# Altium PCB 400501.PcbDoc (part 4 of 4) (continued)
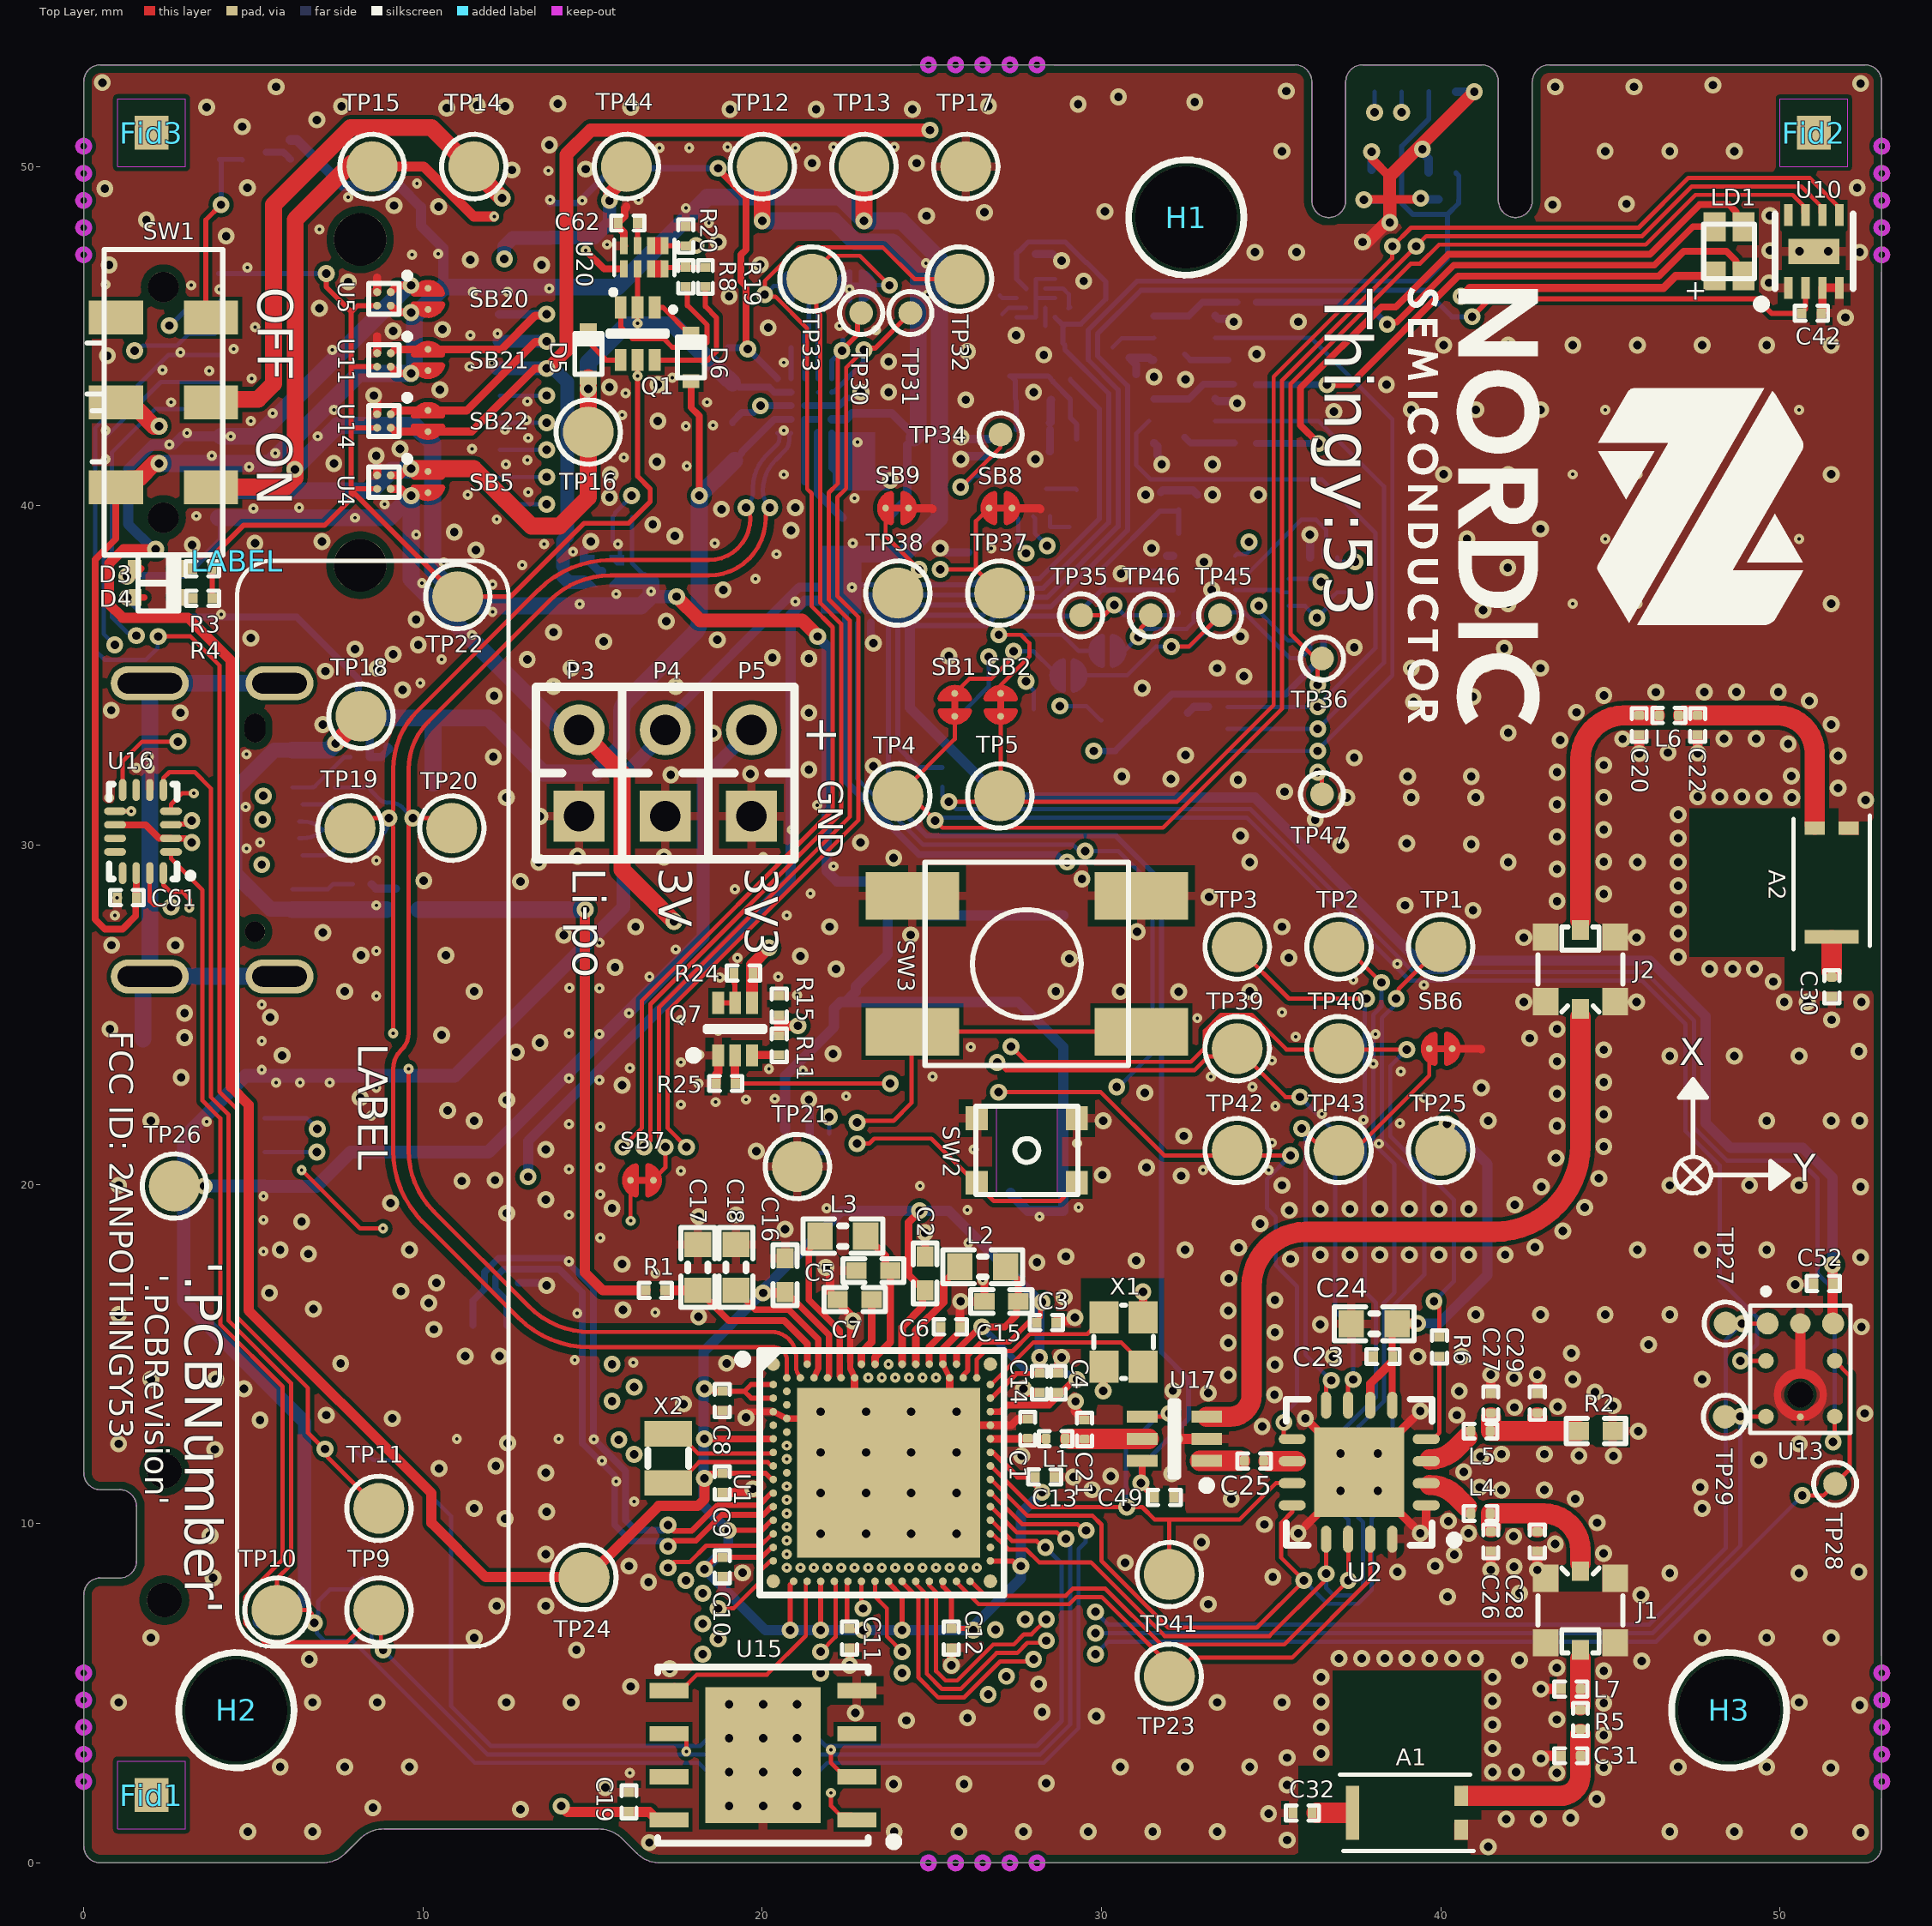
[diagram p0: Top Layer view]
## Nets (pads, with @x,y where several pads share a name; then routed paths per layer and width w, separated by ;. In a path a pad name is that pad's centre, name@x,y a point inside that pad or via, vN(x,y) a via of type N, cw(c..) or ccw(c..) an arc to the next point about the centre after c; other vN are vias at no path point) (continued)
VDD_BH: C42.2 ST4.2 U10.2 | length 35.9
  Top Layer w0.15: v1(40.925,45.575) 41.456,46.106 49.319,46.106 49.75,45.675 C42.2@50.64,45.675 50.64,45.69 50.75,45.8 U10.2@50.75,46.425
  Bottom Layer w0.15: ST4.2@24.909,36.775 26.511,36.775 26.761,37.025 28.511,37.025 30.766,39.28 30.766,43.536 29.883,44.42 29.883,45.07 31.163,46.35 39.55,46.35 40.325,45.575 v1(40.925,45.575)
VDD_BME: C40.2 C41.2 ST5.2 U9.2 U9.6 U9.8 | length 32
  Bottom Layer w0.15: ST5.2@24.878,37.075 26.422,37.075 26.647,37.3 28.397,37.3 30.491,39.394 30.491,43.423 29.608,44.306 29.608,45.184 31.049,46.625 39.539,46.625 40.203,47.289 40.203,48.594 ; C40.2@38.86,49.011 C40.2@38.868,49.019 ; U9.2@39.65,52.211 39.65,51.4 38.85,50.6 U9.6@38.85,49.811 38.85,49.011 38.85,48.915 39.171,48.594 40.203,48.594 ; U9.8@40.45,49.811 40.535,49.726 C41.2@40.535,49.011 40.527,49.003 40.527,48.918 40.203,48.594
VDD_BMI270: C36.2 C37.2 ST6.2 U7.5 U7.8 | length 11.9
  Bottom Layer w0.15: ST6.2@24.909,36.475 26.6,36.475 26.875,36.75 29.239,36.75 30.014,37.525 ; U7.5@32.112,37.525 30.014,37.525 ; U7.8@32.275,39.187 C37.2@32.275,39.89 32.235,39.85 31.725,39.85 30.064,38.189 30.064,37.575 30.014,37.525
VDD_BMM150: C50.2 C51.2 ST7.2 U12.A1 U12.B2 U12.E5 | length 19.5
  Bottom Layer w0.15: ST7.2@24.878,37.375 26.333,37.375 26.533,37.575 28.283,37.575 30.216,39.508 30.216,43.309 28.92,44.605 28.92,44.74 28.86,44.8 28.86,45.272 28.948,45.36 ; C51.2@27.49,47.425 27.49,47.44 C51.2@27.5,47.45 ; U12.B2@27.782,46.405 U12.A1@27.499,46.688 27.5,46.689 27.5,47.425 C51.2@27.5,47.45 ; U12.E5@28.631,45.556 28.827,45.36 28.948,45.36 ; C51.2@27.5,47.45 27.55,47.5 27.565,47.5 27.84,47.775 28.939,47.775 29.539,47.175 29.561,47.175 30.125,46.611 30.125,46.09 29.395,45.36 28.948,45.36
VDD_BZR: Bz1.1 D2.1 R10.2 ST1.2 | length 13.2
  Bottom Layer w0.3: ST1.2@21.9,34.909 21.9,29.235 22.207,28.928 D2.1@22.3,28.928 23.772,28.928 24.775,27.925 Bz1.1@28.875,27.925
VDD_EXP_BRD: P1.2 P5.2 P9.13 SB22.1 TP26.1 U14.A1 | length 46.5
  Top Layer w0.15: U14.A1@9.05,42.7 U14.A1@9.068,42.7
  Top Layer w0.235: U14.A1@9.068,42.7 9.18,42.812 9.797,42.812 SB22.1@10.15,42.812 10.503,42.812 11.287,42.812 13.309,44.834 13.659,44.834 v1@13.675,44.85
  Mid-Layer 2 w0.381: v1@13.675,44.85 15.693,44.85 16.075,44.468 16.075,41.325 19.625,37.775 19.625,33.456 P5.2@19.685,33.396
  Bottom Layer w0.381: v1(3.55,19.95) P1.2@5.325,19.95 5.337,19.937 6.863,19.937 7.875,20.95 11.925,20.95 18.263,27.288 18.263,31.973 P5.2@19.685,33.396 ; P9.13@12.25,44.85 v1(13.65,44.85) v1@13.675,44.85
VDD_EXT_FLASH: C19.2 ST2.2 U15.8 | length 42.8
  Top Layer w0.3: v1(14.075,1.675) 14.25,1.5 16.675,1.5 16.905,1.27 U15.8@17.255,1.27
  Mid-Layer 2 w0.3: v1(13.1,20.225) 13.1,2.65 v1(14.075,1.675)
  Bottom Layer w0.3: v1(13.1,20.225) 13.1,21.275 20.837,29.012 20.837,36.784 21.253,37.2 ST2.2@21.397,37.2
VDD_nRF53: C2.1 C8.1 C9.1 C10.1 C11.1 C12.1 C13.1 C14.1 C15.1 C16.2 P9.4 SB20.1 TP24.1 U1.A19 U1.AC1 U1.AG1 U1.AJ31 U1.AL3 U1.AL7 U1.AL11 U1.AL17 U1.AL25 U1.B8 U1.B28 U1.C1 U1.E1 U1.E31 U1.L1 U1.N31 U1.U1 U5.A1 | length 130.9
  Top Layer w0.15: v1(18.3,8.66) 18.65,9.01 C10.1@18.825,9.01 ; v1(18.3,11.335) 18.45,11.485 C9.1@18.825,11.485 20.098,11.485 20.283,11.3 U1.U1@20.325,11.3 ; v1@18.3,13.85 18.35,13.9 19.475,13.9 ; C10.1@18.825,9.01 19.982,9.01 20.272,9.3 U1.AG1@20.325,9.3 ; v1(19,9.8) 19.983,9.8 20.283,10.1 U1.AC1@20.325,10.1 ; U1.E1@20.325,13.7 19.675,13.7 19.475,13.9 ; U1.C1@20.325,14.1 19.675,14.1 19.475,13.9 ; v1(20.824,6.86) 20.824,8.199 U1.AL3@20.925,8.3 ; v1(21.725,6.86) U1.AL7@21.725,8.3 ; U1.AL11@22.525,8.3 22.5,8.275 22.5,6.987 C11.1@22.577,6.91 ; C11.1@22.577,6.86 v1@22.925,6.86 ; U1.AL17@23.725,8.258 24.125,7.858 v1(24.125,6.86) ; U1.AL25@25.325,8.3 25.325,8.154 25.575,7.904 C12.1@25.575,6.91 v1@26.1,6.91 ; U1.B28@25.925,14.3 25.925,14.375 26.063,14.513 26.063,14.957 26.456,15.35 27.275,15.35 27.9,15.975 28.09,15.975 28.2,16.085 v1@28.2,16.475 ; U1.AJ31@26.725,8.9 27.38,8.9 27.53,8.75 v1(27.625,8.75) ; U1.N31@26.725,12.1 26.803,12.1 27.528,11.375 C13.1@28.04,11.375 28.04,11.135 v1(28.25,10.925) ; U1.E31@26.725,13.7 26.767,13.7 27.492,14.425 28.165,14.425 C14.1@28.175,14.435
  Top Layer w0.187: C16.2@20.675,16.825 20.705,16.825 21.968,15.562 21.968,14.343 U1.B8@21.925,14.3
  Top Layer w0.2: v1(18.3,12.5) U1.L1@20.325,12.5
  Top Layer w0.203: C14.1@28.175,14.435 v1(28.175,14.9)
  Top Layer w0.225: U1.A19@24.125,14.7 24.125,15.795 24.725,16.395 C2.1@24.725,16.85 ; 24.463,19.025 24.313,18.875 24.313,17.338 C2.1@24.8,16.85
  Top Layer w0.235: U5.A1@9.05,46.3 9.25,46.5 v1(9.65,46.5)
  Top Layer w0.3: v1@2.1,38.725 1.175,38.725 0.75,38.3 0.75,37.1 1.15,36.7 3.077,36.7 4.338,35.44 4.338,22.874 4.863,22.349 4.863,16.287 10.25,10.9 10.25,10.025 11.85,8.425 TP24.1@14.749,8.425 ; TP24.1@14.749,8.416 14.841,8.416 16.949,10.524 18.098,10.524 18.3,10.727 v1(18.3,11.335) ; v1(20.025,16.8) C16.2@20.625,16.8
  Mid-Layer 2 w0.3: v1@9.575,46.5 v1(9.65,46.5)
  Bottom Layer w0.3: v1@2.05,38.725 1.312,39.463 1.312,41.08 2.033,41.8 2.65,41.8 2.9,42.05 P9.4@4.05,42.05 ; v1(28.175,14.9) 28.175,16.55 25.501,19.225 22.35,19.225 19.925,16.8 19.925,16.725 18.275,15.075 18.275,10.526 v1(19,9.8) 19,9.36 v1(18.3,8.66) 20.1,6.86 v1(20.824,6.86) v1(21.725,6.86) v1(22.976,6.86) v1(24.125,6.86) 26.1,6.86 27.625,8.385 v1(27.625,8.75) 27.625,10.3 v1(28.25,10.925)
  Bottom Layer w0.5: P9.4@4.05,42.05 5.116,42.05 9.566,46.5 v1(9.65,46.5)
  other v1: 26.225,6.86 18.3,13.975 28.25,16.525 24.638,19.225 2.125,38.725
VDD_nRF21540: C23.2 C24.2 P9.12 SB21.1 TP25.1 U2.5 U2.6 U11.A1 | length 68.5
  Top Layer w0.15: U11.A1@9.05,44.5 U11.A1@9.068,44.5
  Top Layer w0.152: TP25.1@40,21 40,21.597 v1(40.189,21.786)
  Top Layer w0.2: U2.5@38.572,13.492 38.572,15.751 C24.2@38.715,15.894
  Top Layer w0.235: U11.A1@9.068,44.5 9.18,44.612 9.797,44.612 SB21.1@10.15,44.612 10.503,44.612 12.312,44.612 13.309,45.609 13.609,45.609 v1(13.65,45.65)
  Top Layer w0.254: U2.6@37.922,13.492 37.922,14.125 38.308,14.511 38.54,14.743
  Top Layer w0.3: C24.2@38.715,15.894 38.72,15.899 v1@39.322,15.899
  Mid-Layer 2 w0.3: v1@13.675,45.65 17.348,45.65 19.498,47.8 27.391,47.8 27.766,48.175 29.917,48.175 31.642,46.45 33.7,46.45 35.125,45.025 35.125,42.275 40.189,37.211 v1(40.189,21.786) ; v1@39.494,15.901 v1@39.497,15.903
  Bottom Layer w0.254: P9.12@12.25,45.65 v1@13.675,45.65
  Bottom Layer w0.3: v1@39.497,15.903 39.953,15.903 41.375,17.325 41.375,20.6 v1(40.189,21.786)
  other v1: 39.322,15.903
VDD_PE42: C49.2 ST8.2 U17.6 | length 33.7
  Top Layer w0.2: U17.6@31.2,11.85 31.2,11.14 31.515,10.825 31.53,10.825 31.565,10.79 C49.2@31.565,10.775
  Bottom Layer w0.15: 23.725,36.173 ST8.2@23.725,36.097 23.725,31.4 24.85,30.275 30.425,30.275 31.775,28.925 31.775,15.05 32.563,14.262 32.563,13.088 31.164,11.689 v1(31.164,11.2)
VDD_VM3011: C52.2 ST9.2 U13.6 | length 41.1
  Top Layer w0.15: U13.6@51.55,15.915 U13.6@51.565,15.9
  Top Layer w0.3: U13.6@51.55,15.915 v1(51.55,17.625)
  Bottom Layer w0.3: ST9.2@24.35,36.097 24.35,34.05 27,31.4 34.525,31.4 38.82,27.105 39.331,26.594 46.17,26.594 47.803,24.961 47.803,21.811 48.536,21.078 50.672,21.078 51.125,20.625 51.55,20.2 v1(51.55,17.625)
VLI-ION: D3.1 J3.3 P3.2 P9.1 Q7.4 R24.1 SB5.2 TP44.1 U4.A2 | length 45.9
  Top Layer w0.2: D3.1@1.425,37.95 1.492,37.95 D3.1@1.692,38.15 ; v1@9.544,40.3 v1(9.657,40.3)
  Top Layer w0.235: U4.A2@9.05,40.5 9.344,40.5 v1@9.544,40.3
  Top Layer w0.35: Q7.4@19.7,25.35 19.7,26.475 v1(20.2,26.975)
  Top Layer w0.4: v1(15.5,49) 15.519,49.019 15.519,49.221 16,49.702 TP44.1@16,50
  Top Layer w0.5: P3.2@14.605,33.396 15.875,32.126 15.875,29.275 v1(17.4,27.75)
  Mid-Layer 1 w0.5: v1(17.4,27.75) 19.425,27.75 v1(20.2,26.975)
  Mid-Layer 2 w0.5: v1(9.657,40.3) 10.15,40.3 11.3,41.45 11.3,46.175 v1(12.4,47.275)
  Bottom Layer w0.2: v1@1.275,37.95 3,37.95 4.05,39 P9.1@4.05,39.65
  Bottom Layer w0.4: v1(12.4,47.275) 12.4,47.65 12.642,47.892 J3.3@13.75,47.892 ; J3.3@13.75,47.908 15.058,47.908 15.5,48.35 v1(15.5,49)
  Bottom Layer w0.5: P9.1@3.975,39.65 9.007,39.65 v1(9.657,40.3) 9.657,37.843 10.112,37.387 13.913,33.587 14.414,33.587 P3.2@14.605,33.396
  other v1: 1.275,37.925
VOUTB: C45.2 C60.1 C61.1 P4.2 P8.1 P9.3 P9.11 R47.1 SB20.2 SB21.2 ST2.1 ST3.1 SW1.3 TP13.1 U5.A2 U11.A2 U16.14 U18.14 U19.A2 | length 135.9
  Top Layer w0.2: SW1.3@0.95,40.55 0.95,39.03 0.34,38.42 0.34,27.81 0.625,27.525 1.147,27.525 1.535,27.913 1.535,28.45 1.554,28.469 1.554,29.171 U16.14@1.55,29.175
  Top Layer w0.235: U11.A2@9.05,44.1 9.25,43.9 v1(9.65,43.9) ; U5.A2@9.05,45.9 9.25,45.7 v1(9.65,45.7)
  Top Layer w0.5: SW1.3@1.075,40.55 1.325,40.8 1.625,40.8 2.075,41.25 v1(2.225,41.25) ; v1(23,48.4) TP13.1@23,50
  Mid-Layer 2 w0.2: v1(28.987,29.5) 28.987,30.685 28.888,30.784 28.888,31.888 v1(29.775,32.775)
  Bottom Layer w0.2: 22.373,37.173 22.455,37.09 22.455,31.892 24.622,29.725 28.681,29.725 28.906,29.5 v1(28.987,29.5) ; v1(29.775,32.775) 30.4,32.775 32.075,34.45 35.428,34.45 36.55,35.572 U18.14@36.55,36.025
  Bottom Layer w0.254: P4.2@17.145,33.396 17.145,33.66 21.087,37.602 22.298,37.602 22.3,37.6
  Bottom Layer w0.3: R47.1@6.1,50.785 6.29,50.785 7.65,49.425 9.317,49.425 9.941,48.801 9.941,48.259 10.6,47.6 10.6,46.45
  Bottom Layer w0.4: P8.1@5.175,7.11 5.81,7.11 5.99,7.29 6.515,7.815 6.515,12.998 2.95,16.563 2.95,21.375 4.775,23.2 10.937,23.2 15.913,28.175 15.913,32.057 17.145,33.289 P4.2@17.145,33.396
  Bottom Layer w0.5: v1@2.325,41.25 P9.3@4.05,41.25 5.475,41.25 8.125,43.9 v1(9.65,43.9) 9.75,44 9.75,45.6 10.6,46.45 15.737,46.45 18.387,49.1 22.3,49.1 v1(23,48.4) 24.1,48.4 25.225,47.275 25.225,39.625 24.175,38.575 22.875,38.575
VOUTB': C35.2 L11.1 SW1.2 TP12.1 U3.B5 | length 39.3
  Top Layer w0.5: SW1.2@1.075,43.05 1.325,42.8 1.625,42.8 2.075,42.35 v1(2.225,42.35) ; v1(20,48.4) TP12.1@20,50
  Mid-Layer 2 w0.5: v1(2.225,42.35) 4.525,42.35 10.35,48.175 15.734,48.175 15.959,48.4 v1(20,48.4)
  Bottom Layer w0.25: U3.B5@22.05,42.55 22.475,42.55 22.65,42.725 23.825,42.725 C35.2@24.5,42.05 ; L11.1@23.9,39.825 L11.1@23.725,39.65 23.725,39.675 23.975,39.925 24.275,40.225 24.275,41.8 C35.2@24.475,42
  Bottom Layer w0.5: v1(20,48.4) 22.116,48.4 22.741,47.775 23.841,47.775 24.6,47.016 24.6,42.125 C35.2@24.475,42
VSYS: C54.1 R26.2 ST1.1 SW1.6 TP15.1 U6.4 U20.1 | length 46.3
  Top Layer w0.2: v2(14.8,47.525) 15.34,46.985 U20.1@15.925,46.985
  Top Layer w0.3: TP15.1@8.5,50 10.025,50 11.5,48.525 v2(12.1,48.525)
  Top Layer w0.4: v1(17.474,37.324) 18.172,36.625 21.175,36.625 v1@21.65,36.15
  Top Layer w0.5: SW1.6@3.75,40.55 5.95,40.55 6.233,40.833 6.233,48.433 TP15.1@7.9,50.1
  Mid-Layer 1 w0.3: v2(12.1,48.525) 12.925,47.7 14.625,47.7 v2(14.8,47.525)
  Bottom Layer w0.125: R26.2@16.16,39.675 16.16,38.315 16.487,37.987 C54.1@16.537,37.987
  Bottom Layer w0.3: v1@21.625,36.149 21.9,35.874 ST1.1@21.9,35.338
  Bottom Layer w0.4: U6.4@15.81,37.75 C54.1@16.725,37.75 ; 16.725,37.348 16.749,37.324 v1(17.474,37.324)
  Bottom Layer w0.5: v1@6.225,41.11 7.49,42.375 9.75,42.375 10.286,41.839 10.286,38.104 11.34,37.05 16.427,37.05 16.725,37.348 C54.1@16.725,37.75
  other v1: 21.637,36.15 6.225,41.075
VSYS': C47.2 SW1.5 TP14.1 U3.C1 U3.C2 | length 28.5
  Top Layer w0.5: SW1.5@3.964,43.139 5.139,43.139 5.6,43.6 5.6,48.875 7.875,51.15 10.25,51.15 TP14.1@11.45,49.95 ; TP14.1@11.5,50 11.5,49.9 v1(12.332,49.068)
  Mid-Layer 1 w0.5: v1(12.332,49.068) 13.025,48.375 16.325,48.375 17.663,47.037 17.663,45.238 v1(19.95,42.95)
  Bottom Layer w0.2: C47.2@19.125,42.45 19.125,42.475 19.4,42.75 19.75,42.75 ; v1@19.975,42.95 U3.C1@20.45,42.95 U3.C2@20.85,42.95
XC1: U1.C31 X1.1 | length 5.3
  Top Layer w0.125: U1.C31@26.725,14.1 26.75,14.1 27.987,15.338 30.584,15.338 31.225,14.697 X1.1@31.225,14.63
XC2: U1.B30 X1.3 | length 4.8
  Top Layer w0.125: U1.B30@26.325,14.3 26.325,14.848 26.565,15.088 27.384,15.088 27.884,15.588 29.583,15.588 X1.3@30.075,16.08
pads on no net: Fid1.0 Fid2.0 Fid3.0 H1. H2. H3. J3.0 J5.0 J5.1 J5.3 J5.5 J6. J6.0 J6.4 J6.10 P1.0 P8.0 P8.6 P8.7 P8.8 P9. SW1.0 SW1.1 U1. U1.A1 U1.A31 U1.AG31 U1.AL1 U1.AL31 U1.D2 U1.F2 U1.J1 U1.K2 U1.T2 U7.10 U7.11 U8.2 U8.3 U8.5 U8.10 U8.15 U10.8 U13.MH1 U15.3 U15.7 U16.7 U16.11 U16.12 U16.13 U18.1 U18.5 U18.9 U18.11 U18.12 U18.13

## Polygon pours and split planes (outlines as drawn)
GND on Bottom Layer "Bottom_Layer-GND" (solid, remove dead copper, pour order 15): -2,-2 -2,55.9 55.9,55.9 55.9,-2
GND on Mid-Layer 2 "Mid_Layer_2-GND" (solid, remove dead copper, pour order 20): -2,-2 -2,55.9 55.9,55.9 55.9,-2
GND on Mid-Layer 1 "Mid_Layer_1-GND" (solid, remove dead copper, pour order 22): -2,-2 -2,55.9 55.9,55.9 55.9,-2
GND on Top Layer "Top_Layer-GND" (solid, remove dead copper, pour order 24): -0.02,0.025 -0.02,53.025 52.98,53.025 52.98,0.025

## Keep-outs
Mid-Layer 1:
  lines w0.1: 29.075,12.5 31.2,12.5 31.4,12.5 ; 32.9,11.85 33.1,11.85 34.08,11.85 ; 33.1,13.15 33.787,13.15 ccw(c33.787,13.788) 34.425,13.788 34.425,17 cw(c36.025,17) 36.025,18.6 41.577,18.6 ccw(c41.577,21.14) 44.117,21.14 44.117,24.927 ; 34.92,11.842 35.622,11.842 35.725,11.842 ; 36.24,1.475 37.3,1.475 ; 39.672,11.142 cw(c39.672,10.05) 40.444,10.822 40.77,10.495 ; 39.672,11.892 ccw(c39.672,12.983) 40.443,12.211 40.778,12.547 ; 40.6,1.975 43.517,1.975 ccw(c43.517,2.575) 44.117,2.575 44.117,3.805 ; 41.483,9.895 41.483,10.303 42.847,10.303 ; 41.483,13.13 41.483,12.731 42.847,12.731 ; 42.847,9.895 42.847,10.303 ; 42.847,13.13 42.847,12.731 ; 44.075,12.731 42.847,12.731 ; 44.117,4.645 44.117,6.015 ; 44.117,8.839 44.117,9.217 ccw(c43.031,9.217) 43.031,10.303 42.847,10.303 ; 44.117,27.786 44.117,32.516 cw(c45.425,32.516) 45.395,33.825 45.85,33.825 ; 46.305,33.825 45.85,33.825 ; 47.145,33.825 49.925,33.825 cw(c49.925,32.725) 51.025,32.725 51.025,30.5 ; 51.525,26.14 51.525,27.194 ; 45.85,33.825 45.85,33.825
Keep-Out Layer:
  circle w0.152: c53,47.4 r0.173
  circle w0.152: c53,48.2 r0.173
  circle w0.152: c53,49 r0.173
  circle w0.152: c53,49.8 r0.173
  circle w0.152: c53,50.6 r0.173
  circle w0.152: c28.1,53 r0.173
  circle w0.152: c27.3,53 r0.173
  circle w0.152: c26.5,53 r0.173
  circle w0.152: c25.7,53 r0.173
  circle w0.152: c24.9,53 r0.173
  circle w0.152: c0,47.4 r0.173
  circle w0.152: c0,48.2 r0.173
  circle w0.152: c0,49 r0.173
  circle w0.152: c0,49.8 r0.173
  circle w0.152: c0,50.6 r0.173
  circle w0.152: c0,2.4 r0.173
  circle w0.152: c0,3.2 r0.173
  circle w0.152: c0,4 r0.173
  circle w0.152: c0,4.8 r0.173
  circle w0.152: c0,5.6 r0.173
  circle w0.152: c24.9,0 r0.173
  circle w0.152: c25.7,0 r0.173
  circle w0.152: c26.5,0 r0.173
  circle w0.152: c27.3,0 r0.173
  circle w0.152: c28.1,0 r0.173
  circle w0.152: c53,2.4 r0.173
  circle w0.152: c53,3.2 r0.173
  circle w0.152: c53,4 r0.173
  circle w0.152: c53,4.8 r0.173
  circle w0.152: c53,5.6 r0.173
  lines w0.01: 0,1.9 0,0.5 ccw(c0.5,0.5) 0.5,0 7,0 7.022,0 ccw(c7.022,1) 7.729,0.293 8.143,0.707 cw(c8.85,0) 8.85,1 15.172,1 ; 0,6.1 0,7.9 ; 0,46.9 0,11.5 ccw(c0.5,11.5) 0.5,11 1.06,11 ; 0,51.1 0,52.5 cw(c0.5,52.5) 0.5,53 ; 24.4,0 17,0 ; 24.4,53 0.5,53 ; 28.6,0 52.5,0 ccw(c52.5,0.5) 53,0.5 ; 28.6,53 35.7,53 cw(c35.7,52.5) 36.2,52.5 36.2,49 ccw(c36.7,49) 37.2,49 37.2,52.5 cw(c37.7,52.5) 37.7,53 ; 53,1.9 53,0.5 ; 53,6.1 53,46.9 ; 53,51.1 53,52.5 ; 0,7.9 cw(c0.5,7.9) 0.5,8.4 1.06,8.4 ; 0,7.9 0,7.9 ; 0.5,53 0.5,53 ; 1.06,8.4 ccw(c1.06,8.9) 1.56,8.9 ; 1.06,8.4 1.06,8.4 ; 1.06,11 cw(c1.06,10.5) 1.56,10.5 1.56,8.9 ; 1.06,11 1.06,11 ; 1.56,8.9 1.56,8.9 ; 15.172,1 cw(c15.172,0) 15.879,0.707 16.293,0.293 ccw(c17,1) 17,0 ; 15.172,1 15.172,1 ; 17,0 17,0 ; 37.7,53 37.7,53 ; 37.7,53 41.2,53 ; 41.2,53 cw(c41.2,52.5) 41.7,52.5 41.7,49 ccw(c42.2,49) 42.7,49 ; 41.2,53 41.2,53 ; 42.7,49 42.7,49 ; 42.7,49 42.7,52.5 cw(c43.2,52.5) 43.2,53 ; 43.2,53 43.2,53 ; 43.2,53 52.5,53 ; 52.5,53 cw(c52.5,52.5) 53,52.5 ; 52.5,53 52.5,53 ; 53,0.5 53,0.5 ; 53,52.5 53,52.5

## Other copper
Top Layer:
  pour cut-out: 43.691,5.386 43.691,2.616 44.543,2.616 44.543,5.381
  pour cut-out: 28.175,12.958 28.175,13.225 27.976,13.225 27.976,12.958
  pour cut-out: 45.567,33.399 47.981,33.399 47.981,34.251 45.572,34.251
  pour cut-out: 29.393,17.241 29.393,13.507 31.85,13.507 31.85,17.241
Mid-Layer 1:
  pour cut-out: 26.028,33.384 26.028,34.884 cw(c26.278,34.884) 26.278,35.134 27.778,35.134 cw(c27.778,34.884) 28.028,34.884 28.028,33.384 cw(c27.778,33.384) 27.778,33.134 26.278,33.134 cw(c26.278,33.384)
  pour cut-out: 24.675,33.384 24.675,34.884 cw(c24.925,34.884) 24.925,35.134 26.425,35.134 cw(c26.425,34.884) 26.675,34.884 26.675,33.384 cw(c26.425,33.384) 26.425,33.134 24.925,33.134 cw(c24.925,33.384)
  pour cut-out: 9.15,45.35 9.15,46.85 cw(c9.4,46.85) 9.4,47.1 10.9,47.1 cw(c10.9,46.85) 11.15,46.85 11.15,45.35 cw(c10.9,45.35) 10.9,45.1 9.4,45.1 cw(c9.4,45.35)
  pour cut-out: 9.15,43.55 9.15,45.05 cw(c9.4,45.05) 9.4,45.3 10.9,45.3 cw(c10.9,45.05) 11.15,45.05 11.15,43.55 cw(c10.9,43.55) 10.9,43.3 9.4,43.3 cw(c9.4,43.55)
  pour cut-out: 9.15,41.75 9.15,43.25 cw(c9.4,43.25) 9.4,43.5 10.9,43.5 cw(c10.9,43.25) 11.15,43.25 11.15,41.75 cw(c10.9,41.75) 10.9,41.5 9.4,41.5 cw(c9.4,41.75)
  pour cut-out: 9.15,39.95 9.15,41.45 cw(c9.4,41.45) 9.4,41.7 10.9,41.7 cw(c10.9,41.45) 11.15,41.45 11.15,39.95 cw(c10.9,39.95) 10.9,39.7 9.4,39.7 cw(c9.4,39.95)
  pour cut-out: 39,23.25 39,24.75 cw(c39.25,24.75) 39.25,25 40.75,25 cw(c40.75,24.75) 41,24.75 41,23.25 cw(c40.75,23.25) 40.75,23 39.25,23 cw(c39.25,23.25)
  pour cut-out: 26.175,39.275 26.175,40.775 cw(c26.425,40.775) 26.425,41.025 27.925,41.025 cw(c27.925,40.775) 28.175,40.775 28.175,39.275 cw(c27.925,39.275) 27.925,39.025 26.425,39.025 cw(c26.425,39.275)
  pour cut-out: 23.025,38.95 23.025,40.45 cw(c23.275,40.45) 23.275,40.7 24.775,40.7 cw(c24.775,40.45) 25.025,40.45 25.025,38.95 cw(c24.775,38.95) 24.775,38.7 23.275,38.7 cw(c23.275,38.95)
  pour cut-out: 15.456,19.371 15.456,20.871 cw(c15.706,20.871) 15.706,21.121 17.206,21.121 cw(c17.206,20.871) 17.456,20.871 17.456,19.371 cw(c17.206,19.371) 17.206,19.121 15.706,19.121 cw(c15.706,19.371)
  pour cut-out: 45.517,24.886 42.717,24.886 42.717,27.786 45.517,27.786
  pour cut-out: 42.717,8.889 45.517,8.889 45.517,5.989 42.717,5.989
Mid-Layer 2:
  pour cut-out: 22.425,47.15 22.427,47.152 23.061,47.152 23.061,45.811 23.05,45.8 22.425,45.8
  pour cut-out: 20.7,47.15 20.702,47.152 21.336,47.152 21.336,45.811 21.325,45.8 20.7,45.8
  pour cut-out: 29.175,34.975 29.175,36.475 cw(c29.425,36.475) 29.425,36.725 30.925,36.725 cw(c30.925,36.475) 31.175,36.475 31.175,34.975 cw(c30.925,34.975) 30.925,34.725 29.425,34.725 cw(c29.425,34.975)
  pour cut-out: 28.025,34.25 28.025,35.75 cw(c28.275,35.75) 28.275,36 29.775,36 cw(c29.775,35.75) 30.025,35.75 30.025,34.25 cw(c29.775,34.25) 29.775,34 28.275,34 cw(c28.275,34.25)
  pour cut-out: 21.575,8.9 26.075,8.9 26.075,13.2 ccw(c25.425,13.2) 25.425,13.85 21.575,13.85
Bottom Layer:
  rectangle net PVSS: 23.196,40.45 23.2,41.051
  rectangle net GND: 23.75,40.45 23.754,41.051
  rectangle net PVSS: 22.075,40.45 23.325,42.175
  region net VOUTB: 21.725,38.825 21.725,36.825 22.925,36.825 22.925,38.825
  region net NetR22_1: 23.075,36.825 23.275,36.825 23.7,36.4 24.625,36.4 24.625,37.45 23.075,37.45
Multi-Layer:
  pour cut-out: 36.75,48.311 42.25,48.311 42.25,53.229 36.75,53.229

## Silkscreen, mask and mechanical layers (free items; w line width, h text height)
Top Overlay:
  drawing of 38 lines, arcs and shapes, not listed
  text "OFF" at 4.8,46.45 h1.78 r270
  text "Thingy:53" at 36.116,46.381 h2.41 r270
  text "ON" at 4.775,42.2 h1.78 r270
  text "+" at 22.189,33.819 h1.02 r90
  text "GND" at 21.4,31.925 h1.27 r270
  text "Li-po" at 14.097,29.332 h1.65 r270
  text "3V" at 16.637,29.332 h1.65 r270
  text "3V3" at 19.177,29.332 h1.65 r270
  text "FCC ID: 2ANPOTHINGY53" at 0.525,24.52 h1.2 r270
  text "X" at 47.029,23.252 h1.37
  text "Y" at 50.393,19.838 h1.37
  text "'.PCBNumber'" at 2.625,17.746 h1.9 r270
  text "'.PCBRevision'" at 1.575,17.358 h1.2 r270
Bottom Overlay:
  drawing of 837 lines, arcs and shapes, not listed
Board Outline:
  lines w0.15: 7,0 0.5,0 cw(c0.5,0.5) 0,0.5 0,7.9 cw(c0.5,7.9) 0.5,8.4 1.06,8.4 ccw(c1.06,8.9) 1.56,8.9 1.56,10.5 ccw(c1.06,10.5) 1.06,11 0.5,11 cw(c0.5,11.5) 0,11.5 0,52.5 cw(c0.5,52.5) 0.5,53 35.7,53 ; 7.022,0 ccw(c7.022,1) 7.729,0.293 8.143,0.707 cw(c8.85,0) 8.85,1 15.172,1 cw(c15.172,0) 15.879,0.707 16.293,0.293 ccw(c17,1) 17,0 52.5,0 ccw(c52.5,0.5) 53,0.5 53,52.5 ccw(c52.5,52.5) 52.5,53 43.2,53 ; 37.7,53 41.2,53
  lines w0.152: 35.7,53 cw(c35.7,52.5) 36.2,52.5 36.2,49 ccw(c36.7,49) 37.2,49 37.2,52.5 cw(c37.7,52.5) 37.7,53 ; 41.2,53 cw(c41.2,52.5) 41.7,52.5 41.7,49 ccw(c42.2,49) 42.7,49 42.7,52.5 cw(c43.2,52.5) 43.2,53
Board Other:
  circle w0.03: c50,47.5 r2.5
  lines w0.1: 34.425,0 34.425,60 ; 45,47.5 50,47.5 50,43 ; 48.75,43 48.75,47.5 ; 51.25,43 51.25,47.5
Top Assembly:
  drawing of 40 lines, arcs and shapes, not listed
Bottom Assembly:
  drawing of 44 lines, arcs and shapes, not listed
Top Impedance Info:
  lines w0.125: 7.85,30.5 8.15,30.8 9,30.8 ; 9.122,24.45 9.122,30.505 ccw(c8.705,30.505) 9,30.8 ; 9.575,23.4 9.575,21.002 ccw(c12.115,21.002) 10.319,19.206 13.131,16.394 ccw(c14.927,18.19) 14.927,15.65 20.275,15.65 cw(c20.275,14.925) 21,14.925 21,14.623 ccw(c21.437,14.623) 21.128,14.314 ; 10.85,30.5 10.55,30.8 9.7,30.8 ; 20.725,14.3 20.726,14.301 20.726,14.825 ccw(c20.354,14.825) 20.354,15.197 14.927,15.197 cw(c14.927,18.19) 12.811,16.074 9.999,18.886 cw(c12.115,21.002) 9.122,21.002 9.122,23.4 cw(c9.9,23.4) 9.35,23.95 9.38,23.98 ccw(c8.91,24.45) 9.575,24.45 9.575,30.498 cw(c10.002,30.498) 9.7,30.8 ; 9,30.8 ccw(c8.702,31.098) 9.124,31.098 9.124,32.233 cw(c11.553,32.233) 9.835,33.95 13.408,37.523 cw(c15.524,35.407) 15.524,38.4 18.424,38.4 ccw(c18.424,39.625) 19.649,39.625 19.649,39.652 ccw(c19.227,39.652) 19.528,39.947 ; 9.7,30.8 cw(c9.998,31.098) 9.576,31.098 9.576,32.233 cw(c11.553,32.233) 10.155,33.63 13.728,37.203 cw(c15.524,35.407) 15.524,37.947 18.424,37.947 ccw(c18.424,39.625) 20.101,39.625 20.101,39.652 cw(c20.523,39.652) 20.225,39.95 ; 19.528,39.947 ccw(c19.227,39.652) 19.525,39.95 19.528,39.947 ; 20.225,39.95 20.225,39.95
  lines w0.6: 28.935,12.5 31.2,12.5 ; 33.1,11.85 34.215,11.85 ; 33.1,13.15 33.787,13.15 ccw(c33.787,13.788) 34.425,13.788 34.425,17 cw(c36.025,17) 36.025,18.6 41.577,18.6 ccw(c41.577,21.14) 44.117,21.14 44.117,25.176 ; 34.815,11.842 35.622,11.842 ; 36.24,1.475 37.4,1.475 ; 39.572,11.192 cw(c39.572,10.1) 40.343,10.872 40.913,10.303 ; 39.572,11.842 ccw(c39.572,12.933) 40.343,12.161 40.913,12.731 ; 40.6,1.975 43.517,1.975 ccw(c43.517,2.575) 44.117,2.575 44.117,3.94 ; 41.472,9.767 41.472,10.292 ; 41.472,12.742 41.472,13.267 ; 41.483,10.303 42.847,10.303 ; 41.483,12.731 42.847,12.731 ; 42.847,9.767 42.847,10.303 ; 42.847,13.26 42.847,12.731 ; 44.117,4.54 44.117,5.779 ; 44.117,8.099 44.117,9.217 ccw(c43.031,9.217) 43.031,10.303 42.847,10.303 ; 44.117,27.496 44.117,32.516 cw(c45.425,32.516) 45.395,33.825 46.44,33.825 ; 44.575,12.731 42.847,12.731 ; 47.04,33.825 49.925,33.825 cw(c49.925,32.725) 51.025,32.725 51.025,30.5 ; 51.525,26.14 51.525,27.3
  text "90 ohm differential impedance" at 10.8,26.4 h1.78
  text "50 ohm impedance" at 37.47,15.587 h1.78
Via Capping Top:
  text "Capped vias top" at 18.456,6.612 h1.78
Bottom Via Capping:
  text "Capped vias bottom" at 15.5,40.4 h1.78
Mechanical 27:
  lines w0.1: -11.878,38.147 -4.995,38.147 -4.995,43.797 -4.995,49.447 -11.878,49.447 ; -4.995,39.099 -4.549,39.099 3.429,39.099 ; -4.995,39.699 -4.995,47.895 ; -4.995,48.295 3.429,48.295 ; -2.975,26.175 -0.475,26.175 ; -2.975,35.125 -0.475,35.125 ; 1.13,4.08 1.13,9.38 ; 1.155,4.08 -3.845,4.08 -3.845,14.68 1.155,14.68 1.155,9.38 ; -10,24.45 -2.975,24.45 -2.975,36.85 -10,36.85 -10,24.45 ; -7.55,35.85 -7.55,35.85
  lines w0.15: 0,3.85 6.7,3.85 ; 0,9.65 6.7,9.65 ; 0,15.45 6.7,15.45 ; 0,16.953 2.865,16.953 ; 0,20.453 2.87,20.453 ; 0,23.953 2.87,23.953 ; 0,25.45 5.05,25.45 ; 0,30.45 5.05,30.45 ; 0,35.45 5.05,35.45 ; 0,36.95 7.4,36.95 ; 0,43.05 7.4,43.05 ; 0,49.15 7.4,49.15
  text "Debug card" at -6.375,41.05 h0.89 r90
  text "USB plug" at -5.225,29.1 h0.89 r90
  text "Grove" at -4.95,17.275 h0.89 r90
  text "SWD / Debug Interface" at -4.8,5.15 h0.89 r90

## Dimensions
53,53 to 0,50.4 on Dimension
53,0 to 53,53 on Dimension
0,0 to 53,0 on Dimension
0.5,0 to 0,53 on Dimension

## Text inside footprints (layer, text, board x,y; h text height)
J6: Bottom Placement "Board Edge" at 0.125,28.55 h0.38 r270
LD1: Top Overlay "+" at 47.175,46.075 h0.6
P1: Bottom Assembly "Connector" at 4.145,21.223 h0.31
P8: Bottom Overlay "1" at 4.74,5.97 h1.02 r270
U1: Top Component Info "B30" at 26.227,14.461 h0.08; Top Component Info "C31" at 26.848,14.06 h0.08; Top Component Info "E31" at 26.848,13.66 h0.08; Top Component Info "A27" at 25.624,14.861 h0.08; Top Component Info "B28" at 25.827,14.461 h0.08; Top Component Info "A25" at 25.224,14.861 h0.08; Top Component Info "B26" at 25.427,14.461 h0.08; Top Component Info "G31" at 26.848,13.26 h0.08; Top Component Info "J31" at 26.848,12.86 h0.08; Top Component Info "L31" at 26.848,12.46 h0.08; Top Component Info "N31" at 26.848,12.06 h0.08; Top Component Info "R31" at 26.848,11.66 h0.08; Top Component Info "U31" at 26.848,11.26 h0.08; Top Component Info "A23" at 24.824,14.86 h0.08; Top Component Info "A21" at 24.424,14.86 h0.08; Top Component Info "A19" at 24.024,14.861 h0.08; Top Component Info "A17" at 23.624,14.861 h0.08; Top Component Info "A15" at 23.224,14.861 h0.08; Top Component Info "B18" at 23.827,14.461 h0.08; Top Component Info "B16" at 23.427,14.461 h0.08; Top Component Info "B14" at 23.027,14.461 h0.08; Top Component Info "B24" at 25.027,14.461 h0.08; Top Component Info "B22" at 24.627,14.461 h0.08; Top Component Info "B20" at 24.227,14.461 h0.08; Top Component Info "W31" at 26.848,10.86 h0.08; Top Component Info "AA31" at 26.848,10.46 h0.08; Top Component Info "AC31" at 26.848,10.06 h0.08; Top Component Info "AE31" at 26.848,9.66 h0.08; Top Component Info "AG31" at 26.848,9.26 h0.08; Top Component Info "AJ31" at 26.848,8.86 h0.08; Top Component Info "AK30" at 26.188,8.461 h0.08; Top Component Info "AL29" at 25.981,8.061 h0.08; Top Component Info "AK26" at 25.388,8.461 h0.08; Top Component Info "AK28" at 25.788,8.461 h0.08; Top Component Info "AL27" at 25.581,8.061 h0.08; Top Component Info "AL25" at 25.181,8.061 h0.08; Top Component Info "AK22" at 24.588,8.461 h0.08; Top Component Info "AK18" at 23.788,8.461 h0.08; Top Component Info "AK16" at 23.388,8.461 h0.08; Top Component Info "AK14" at 22.988,8.461 h0.08; Top Component Info "AK24" at 24.988,8.461 h0.08; Top Component Info "AK20" at 24.188,8.46 h0.08; Top Component Info "AL23" at 24.781,8.061 h0.08; Top Component Info "AL21" at 24.381,8.061 h0.08; Top Component Info "AL19" at 23.981,8.061 h0.08; Top Component Info "AL17" at 23.581,8.061 h0.08; Top Component Info "AL15" at 23.181,8.061 h0.08; Top Component Info "A13" at 22.824,14.86 h0.08; Top Component Info "B12" at 22.627,14.461 h0.08; Top Component Info "B8" at 21.856,14.461 h0.08; Top Component Info "B10" at 22.227,14.461 h0.08; Top Component Info "B6" at 21.456,14.461 h0.08; Top Component Info "A5" at 21.253,14.861 h0.08; Top Component Info "B4" at 21.056,14.461 h0.08; Top Component Info "B2" at 20.672,14.448 h0.08; Top Component Info "D2" at 20.397,13.86 h0.08; Top Component Info "F2" at 20.397,13.46 h0.08; Top Component Info "H2" at 20.397,13.06 h0.08; Top Component Info "K2" at 20.397,12.66 h0.08; Top Component Info "C1" at 20.057,14.06 h0.08; Top Component Info "E1" at 20.076,13.66 h0.08; Top Component Info "G1" at 20.057,13.26 h0.08; Top Component Info "J1" at 20.057,12.86 h0.08; Top Component Info "M2" at 20.397,12.26 h0.08; Top Component Info "P2" at 20.397,11.86 h0.08; Top Component Info "T2" at 20.397,11.46 h0.08; Top Component Info "L1" at 20.037,12.46 h0.08; Top Component Info "N1" at 20.076,12.06 h0.08; Top Component Info "R1" at 20.07,11.66 h0.08; Top Component Info "AK12" at 22.588,8.461 h0.08; Top Component Info "AK8" at 21.817,8.461 h0.08; Top Component Info "AK6" at 21.417,8.461 h0.08; Top Component Info "AK10" at 22.188,8.46 h0.08; Top Component Info "AL13" at 22.781,8.061 h0.08; Top Component Info "AL11" at 22.381,8.061 h0.08; Top Component Info "AL9" at 21.981,8.061 h0.08; Top Component Info "AK4" at 21.017,8.461 h0.08; Top Component Info "AL7" at 21.611,8.061 h0.08; Top Component Info "AL5" at 21.211,8.061 h0.08; Top Component Info "AL3" at 20.811,8.061 h0.08; Top Component Info "V2" at 20.397,11.06 h0.08; Top Component Info "Y2" at 20.397,10.66 h0.08; Top Component Info "W1" at 20.057,10.86 h0.08; Top Component Info "AA1" at 19.991,10.46 h0.08; Top Component Info "AB2" at 20.317,10.26 h0.08; Top Component Info "AD2" at 20.317,9.86 h0.08; Top Component Info "AC1" at 19.985,10.06 h0.08; Top Component Info "AK2" at 20.617,8.487 h0.08; Top Component Info "AF2" at 20.317,9.46 h0.08; Top Component Info "AE1" at 20.004,9.66 h0.08; Top Component Info "AG1" at 19.985,9.26 h0.08; Top Component Info "AH2" at 20.317,9.06 h0.08; Top Component Info "AJ1" at 19.985,8.86 h0.08